# KiCad board PiCoral.kicad_pcb (continued)
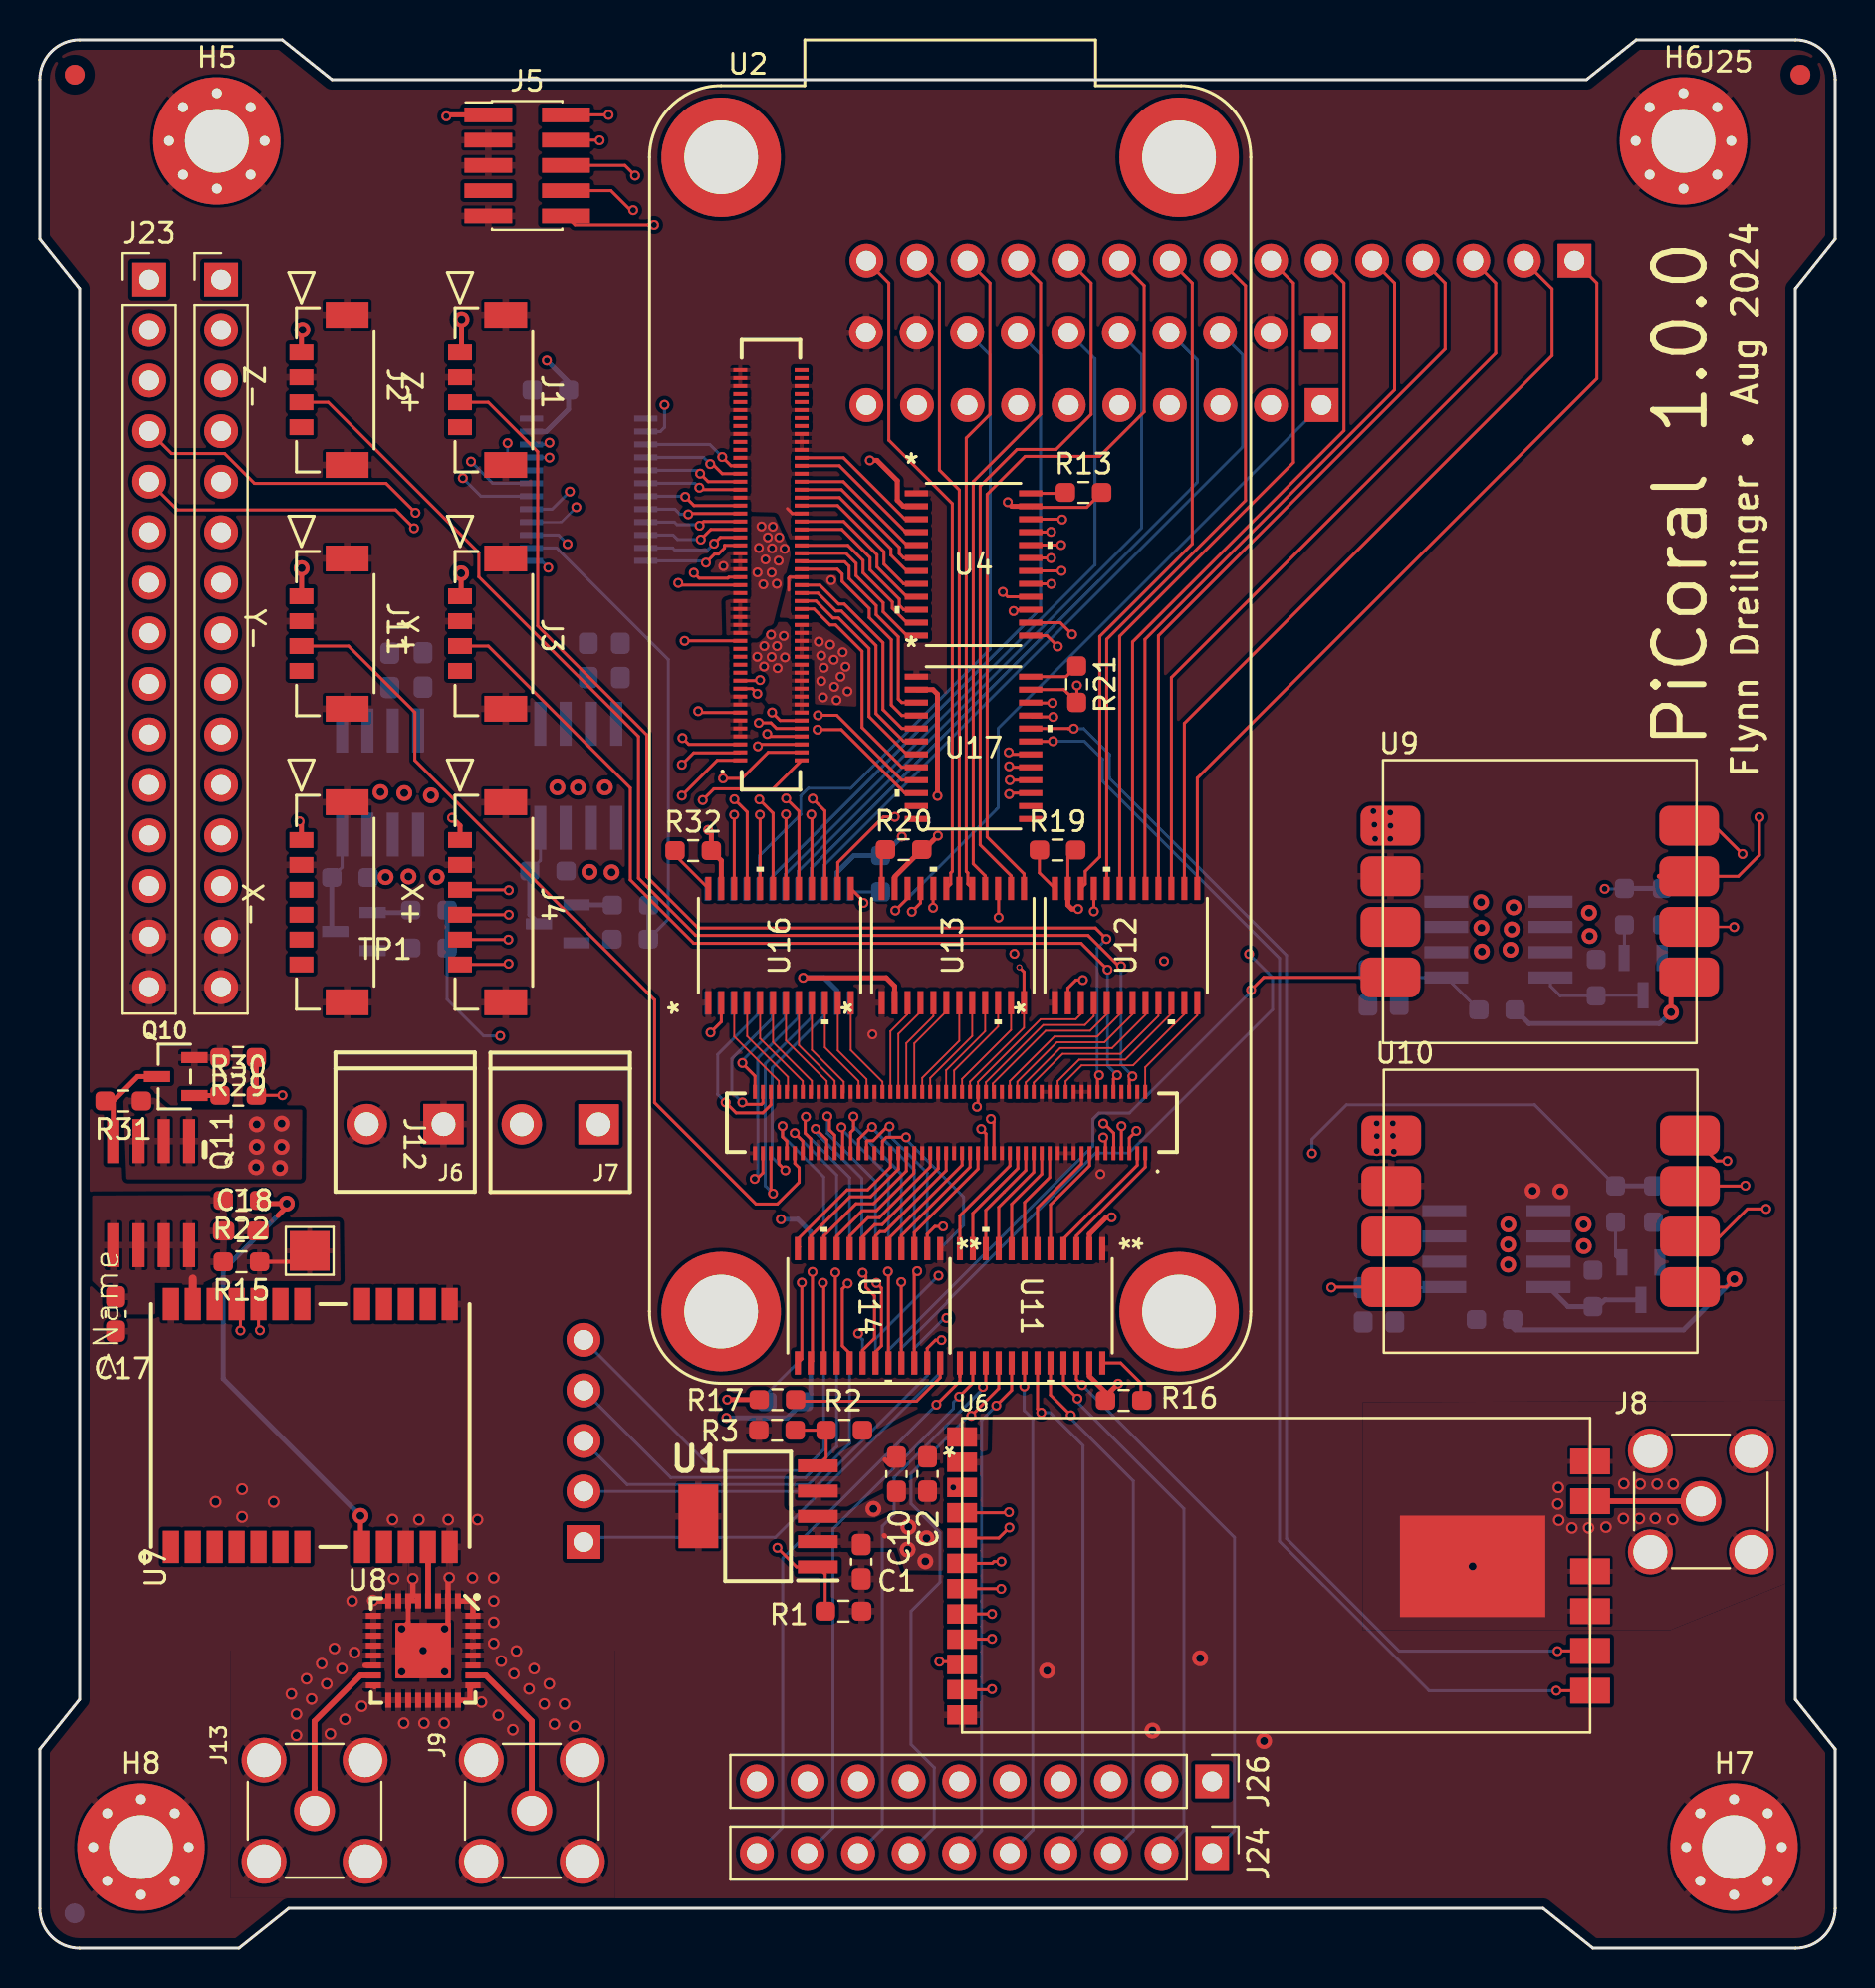
[diagram p0: board, top side]
## Routing (per net, layer and track width the routed paths; a pad name or vN(x,y) marks a point on that pad's centre or on a via; arc(x,y) is an arc through that point) (continued)
/GPIO_LPSR_13_1V8: length 6.1
  Top w0.15: 47.12,39.95 47.12,39.16 43.92,35.96 U14.3
/GPIO_SD_B1_00: length 34.5
  Bottom w0.15: 46.6,81.18 47.73,80.04 47.73,65.28 40.74,58.28 38.6,58.28 38.22,57.91 38.22,56.97 36.14,54.89 U15.17
/GPIO_SD_B1_00_1V8: length 5.6
  Top w0.15: v1(35.29,44.48) 35.29,44.46 35.92,43.82 U2.100
  Bottom w0.15: v1(35.29,44.48) 35.29,44.59 37.44,46.74 U15.6
/GPIO_SD_B1_01: length 29.5
  Top w0.15: v1(34.89,57.73) 35.53,57.09 U16.21
  In2.Cu w0.15: v1(34.89,57.73) 37.19,60.03 39.1,60.03 43.02,63.96 43.02,76.51 J29.9
/GPIO_SD_B1_01_1V8: length 5.3
  Top w0.09: U16.4 35.53,45.83 37.58,43.78 37.58,43.08
/GPIO_SD_B1_02: length 35
  Bottom w0.15: 51.67,81.18 52.99,79.86 52.99,69.51 37.43,53.95 U15.19
/GPIO_SD_B1_02_1V8: length 9.3
  Top w0.15: U2.96 36.72,42.38 36.31,41.97 34.97,41.97 v1(34.45,42.5)
  Bottom w0.15: v1(34.45,42.5) 34.05,42.9 34.05,44.91 36.14,47 U15.8
/GPIO_SD_B1_03: length 29.7
  Top w0.15: v1(34.88,56.95) 34.88,56.95 U16.22
  In2.Cu w0.15: v1(34.88,56.95) 34.36,57.46 34.36,57.95 36.8,60.38 38.96,60.38 42.67,64.1 42.67,76.38 J29.10
/GPIO_SD_B1_03_1V8: length 5.4
  Top w0.09: U16.3 34.88,45.81 37.12,43.57 37.12,43.03
/GPIO_SD_B1_04: length 19.2
  Bottom w0.15: U5.20 40.67,25.37 38.6,23.3 29.49,23.3 J27.3
/GPIO_SD_B1_04_1V8: length 9.5
  Top w0.15: v1(38.48,41.78) 38.44,41.74 38.44,40.95 38.72,40.67 U2.85
  Bottom w0.15: U5.5 40.67,38.72 38.44,40.95 38.44,41.74 v1(38.48,41.78)
/GPIO_SD_B1_05: length 34
  Bottom w0.15: U15.18 36.79,53.84 50.26,67.31 50.26,80.05 49.14,81.18
/GPIO_SD_B1_05_1V8: length 7.7
  Top w0.15: U2.98 36.32,42.47 36.25,42.4 35.38,42.4 v1(35.29,42.5)
  Bottom w0.15: v1(35.29,42.5) 34.76,43.02 34.76,44.7 36.79,46.72 U15.7
/GPIO_SD_B2_00: length 20.3
  Bottom w0.15: J27.2 38.75,22.95 44.57,28.77 U5.14
/GPIO_SNVS_00: length 27.3
  Top w0.15: U11.15 47.51,28.35 v1(47.37,28.21)
  Bottom w0.15: v1(47.37,28.21) 47.37,28.11 42.91,23.64 42.91,21.8 42.32,21.21 42.32,6 J24.8
/GPIO_SNVS_00_1V8: length 5.6
  Top w0.15: U11.10 47.51,37.08 49.52,39.09 49.52,39.95
/GPIO_SNVS_02: length 36.4
  Top w0.15: v1(37.48,57.77) 38.13,57.13 U16.17
  In2.Cu w0.15: J29.5 52.04,75.36 44.98,75.36 44.42,74.81 44.42,63.38 39.68,58.63 38.35,58.63 v1(37.48,57.77)
/GPIO_SNVS_02_1V8: length 5.2
  Top w0.09: U16.8 38.13,45.37 39.92,43.58 U2.80
/GPIO_SNVS_03: length 25.3
  Top w0.15: U11.18 49.46,28.24 v1(49.45,28.23)
  Bottom w0.15: J24.5 49.88,5.94 49.88,26.59 49.45,27.02 v1(49.45,28.23)
/GPIO_SNVS_03_1V8: length 5.3
  Top w0.15: U11.7 49.46,37.47 50.72,38.73 U2.25
/GPIO_SNVS_04: length 32.4
  Top w0.15: J28.14 45.18,83.67 45.18,74.27 46.18,73.27 U13.18
/GPIO_SNVS_04_1V8: length 5.3
  Top w0.09: U2.58 44.32,43.73 46.18,45.59 U13.7
/GPIO_SNVS_05: length 28.1
  Top w0.15: v1(46.18,27.72) 46.86,28.4 U11.14
  Bottom w0.15: J24.9 39.83,6.06 39.83,21.07 45.89,27.12 45.89,27.43 46.17,27.72 v1(46.18,27.72)
/GPIO_SNVS_05_1V8: length 5.7
  Top w0.15: U11.11 46.86,36.92 49.12,39.18 49.12,39.95
/GPIO_SNVS_06: length 38
  Top w0.15: v1(38.74,56.96) 38.78,56.93 U16.16
  In2.Cu w0.15: v1(38.74,56.96) 38.29,57.41 38.29,57.98 38.6,58.28 39.83,58.28 44.77,63.23 44.77,74.26 45.53,75.01 54.23,75.01 J29.4
/GPIO_SNVS_06_1V8: length 5.2
  Top w0.09: U16.9 38.78,45.13 40.38,43.53 40.38,42.97
/GPIO_SNVS_07: length 36.4
  Top w0.15: U12.18 54.88,65.64 65.5,76.25 65.5,83.67 J28.6
/GPIO_SNVS_07_1V8: length 8.3
  Top w0.09: 49.12,43.03 49.12,43.14 49.1,43.17 49.1,43.53 51.08,45.52 53.47,45.52 54.88,46.93 U12.7
/GPIO_SNVS_08: length 32.6
  Top w0.15: U13.17 46.61,53.47 46.61,54.03 46.53,54.11 46.53,75.88 47.72,77.07 47.72,83.67 J28.13
/GPIO_SNVS_08_1V8: length 5.4
  Top w0.09: U13.8 46.83,45.83 44.72,43.72 U2.56
/GPIO_SNVS_09: length 25.7
  Top w0.15: U11.17 48.81,28.04 v1(48.04,27.26)
  Bottom w0.15: v1(48.04,27.26) 47.3,26.53 47.3,5.9 J24.6
/GPIO_SNVS_09_1V8: length 5.4
  Top w0.15: U2.27 50.32,38.9 48.81,37.39 U11.8
/GPS/RF_IN: length 2.7
  Top w0.293: U7.11 19.5,20.15 U8.4
/MCM_3V3: length 30.4
  Top w0.15: U2.106 36.16,60.49 v1(36.06,60.39)
  In1.Cu w0.15: J25.11 11.14,60.48 31.47,60.48 31.95,59.99 35.67,59.99 v1(36.06,60.39)
/MCM_3V3_SENSE: length 29.5
  Top w0.15: v1(36.53,61.01) 36.66,60.89 U2.108
  In1.Cu w0.15: v1(36.53,61.01) 33.47,61.01 33.15,61.33 9.45,61.33 J25.10
/ONOFF: length 38
  Top w0.15: U12.16 56.18,65.95 70.58,80.34 70.58,83.67 J28.4
/ONOFF_1V8: length 8.8
  Top w0.09: U2.30 49.92,43.49 51.37,44.94 54.28,44.94 56.18,46.85 U12.9
/pd_y+: length 60.9
  Top w0.15: v1(53.57,50.71) 53.01,51.26 33.06,51.26 30.48,53.84 30.48,60.96 25.01,66.44 25.01,75.2 22.52,77.68 J1.3 ; v1(53.2,43.86) 53.12,43.78 53.12,43.03
  Bottom w0.15: v1(53.57,50.71) 53.1,50.24 53.1,43.96 v1(53.2,43.86)
/pd_y-: length 43
  Top w0.15: U2.89 37.92,39.43 38.14,39.22 38.14,38.49 37.04,37.39 35.97,37.39 30.88,42.49 30.88,47.65 18.84,59.69 18.84,62.1 15.51,65.43 J11.3
/pd_z+: length 48.4
  Top w0.15: v1(53.63,49.17) 52.3,50.49 32.84,50.49 29.66,53.68 29.66,58.3 22.52,65.43 J3.3 ; v1(54.11,43.86) 53.92,43.68 U2.10
  Bottom w0.15: v1(54.11,43.86) 53.63,44.34 v1(53.63,49.17)
/pd_z-: length 64.6
  Top w0.15: J2.3 14.49,77.68 22.05,70.11 22.05,68.9 30.07,60.89 30.07,53.76 32.94,50.89 52.65,50.89 54.3,49.23 v1(54.3,49.35) ; U2.6 54.72,43.65 v1(54.88,43.81)
  Bottom w0.15: v1(54.3,49.35) 54.3,44.41 54.88,43.84 v1(54.88,43.81)
/PMIC_ON_REQ: length 28.8
  Top w0.15: U11.16 48.16,28.13 v1(46.78,26.75)
  Bottom w0.15: v1(46.78,26.75) 46.66,26.75 43.76,23.85 43.76,22.33 45.21,20.88 45.21,18.39 43.76,16.94 43.76,10.24 44.92,9.07 44.92,6.07 J24.7
/PMIC_ON_REQ_1V8: length 5.5
  Top w0.15: U11.9 48.16,37.23 49.92,38.99 U2.29
/PMIC_STBY_REQ: length 37.2
  Top w0.15: J28.5 68.04,83.67 68.04,78.3 55.51,65.76 55.51,53.62 55.53,53.59 U12.17
/PMIC_STBY_REQ_1V8: length 8.5
  Top w0.09: U12.8 55.53,46.91 53.86,45.23 51.25,45.23 49.52,43.5 49.52,43.03
/pyramid1: length 40.4
  Top w0.15: v1(23.56,53.16) 23.54,53.18 J4.3 ; v1(55.08,41.07) 54.72,40.71 U2.5
  In1.Cu w0.15: v1(23.56,53.16) 25.76,50.96 43.67,50.96 52.31,42.31 54.06,42.31 55.08,41.3 v1(55.08,41.07)
/pyramid2: length 39
  Top w0.15: v1(23.55,51.93) J4.4 ; U2.7 54.32,41.3 v1(54.32,41.31)
  In1.Cu w0.15: v1(54.32,41.31) 53.67,41.96 52.17,41.96 43.52,50.61 24.88,50.61 v1(23.56,51.93)
/pyramid3: length 37.9
  Top w0.15: U2.9 53.94,39.96 53.94,40.96 53.45,41.44 v1(53.41,41.44) ; J4.5 v1(23.54,50.68)
  In1.Cu w0.15: v1(23.54,50.68) 23.95,50.26 43.38,50.26 52.2,41.44 v1(53.41,41.44)
/pyramid4: length 37.1
  Top w0.15: v1(53.41,40.74) 53.52,40.63 53.52,39.95 ; J4.6 23.51,49.43 v1(23.55,49.47)
  In1.Cu w0.15: v1(23.55,49.47) 23.98,49.91 43.23,49.91 52.14,41 52.79,41 53.05,40.74 v1(53.41,40.74)
/RF_BUSY: length 60.9
  Top w0.15: v1(48.67,21.91) 48.64,21.88 U6.4 ; v1(51.35,71.79) 51.33,71.8 U4.22
  In2.Cu w0.15: v1(48.67,21.91) 48.67,22.16 53.23,26.72 53.23,33.98 55.61,36.36 55.61,45.84 57.55,47.77 57.55,67.04 52.8,71.79 v1(51.35,71.79)
/RF_BUSY_1V8: length 7
  Top w0.09: 43.45,71.8 U4.3
  Top w0.15: U2.178 40.36,74.89 43.45,71.8
/RF_IO1: length 60.1
  Top w0.15: v1(51.3,70.51) 51.29,70.5 U4.20 ; v1(48.7,21.14) 48.17,20.61 U6.5
  In2.Cu w0.15: v1(51.3,70.51) 53.09,70.51 55.94,67.65 55.94,48.27 52.67,45.01 52.67,28.88 52.87,28.68 52.87,27.13 48.15,22.41 48.15,21.68 v1(48.7,21.14)
/RF_IO1_1V8: length 7.1
  Top w0.15: U2.172 40.36,73.69 43.54,70.5 U4.5
/RF_IO2: length 60.3
  Top w0.15: U4.19 50.78,69.85 v1(50.79,69.85) ; v1(48.3,19.43) 47.92,19.43 47.83,19.34 U6.6
  In2.Cu w0.15: v1(48.3,19.43) 47.8,19.92 47.8,22.83 51.25,26.29 51.25,27.95 52.33,29.02 52.33,45.15 55.55,48.37 55.55,67.55 53.25,69.85 v1(50.79,69.85)
/RF_IO2_1V8: length 7.4
  Top w0.15: U4.6 43.39,69.85 43.17,70.08 43.17,70.38 40.26,73.29 U2.170
/RF_IO3: length 59.6
  Top w0.15: v1(51.32,69.21) 51.31,69.2 U4.18 ; U6.7 48.27,18.07 v1(48.29,18.06)
  In2.Cu w0.15: v1(48.29,18.06) 47.45,18.89 47.45,24.82 51.98,29.35 51.98,45.3 54.91,48.23 54.91,65.61 v1(51.32,69.21)
/RF_IO3_1V8: length 7.5
  Top w0.15: U4.7 43.54,69.2 42.75,70 42.75,70.31 40.17,72.89 U2.168
/RF_RST: length 50.5
  Top w0.15: U4.15 48.97,67.25 v1(48.91,67.19)
  In2.Cu w0.15: v1(48.91,67.19) 46.17,64.46 46.17,55.98 50.36,51.8 50.36,31.48 48.12,29.25 46.96,29.25 45.65,27.93 45.65,25.05 45.82,24.88 45.82,23.21 v1(45.88,23.15)
/RF_RST_1V8: length 8
  Top w0.15: U4.10 43.39,67.25 43.17,67.48 43.17,67.79 41.7,69.26 41.7,69.87 40.28,71.29 U2.160
/RF_RX_EN: length 65.2
  Top w0.15: v1(76.23,14.93) 76.23,14.94 U6.14 ; U17.20 51.65,61.29 51.66,61.28 v1(51.93,61.28)
  Bottom w0.15: v1(76.23,14.93) 68.27,14.93 62.61,20.59 62.61,49.89 53.73,58.78 53.73,59.98 52.42,61.28 v1(51.93,61.28)
/RF_RX_EN_1V8: length 10.7
  Top w0.15: U2.146 39.17,68.49 40.12,67.54 40.41,67.54 42.35,65.6 42.35,62.23 43.29,61.29 U17.5
/RF_TX_EN: length 65.7
  Top w0.15: v1(50.89,60.65) 50.88,60.64 U17.19 ; v1(76.17,12.94) U6.13
  Bottom w0.15: v1(50.89,60.65) 52.47,60.65 53.38,59.74 53.38,58.63 62.27,49.74 62.27,20.44 69.77,12.94 v1(76.17,12.94)
/RF_TX_EN_1V8: length 10.9
  Top w0.15: U2.144 39.08,68.09 39.98,67.19 40.26,67.19 42,65.45 42,62.03 43.39,60.64 U17.6
/RX_FROM_GPS: length 54.2
  Top w0.15: v1(11.06,31.05) 10.99,31.12 U7.20
  In2.Cu w0.15: v1(11.06,31.05) 11.06,33.64 14.64,37.22 14.64,43.16 15.98,44.51 16,44.51 16,65.53 20.95,70.49 22.08,70.49 26.23,74.65 26.23,75.23 25.82,75.65 v1(25.6,75.65)
  Bottom w0.15: v1(25.6,75.65) 25.5,75.56 U3.22
/RX_FROM_GPS_1V8: length 5.2
  Top w0.15: 35.18,74.49 34.72,74.49 v1(34.27,74.93)
  Bottom w0.15: U3.3 33.64,75.56 v1(34.27,74.93)
/SCK_RF: length 57.6
  Top w0.15: U4.14 51.26,66.6 v1(51.84,66.02) ; U6.9 47.8,15.53 v1(47.83,15.55)
  In2.Cu w0.15: v1(51.84,66.02) 51.84,64.42 50.33,62.9 50.33,60.46 51.27,59.52 51.27,31.37 47.49,27.59 47.49,26.16 46.75,25.41 46.75,16.62 v1(47.83,15.55)
/SCK_RF_1V8: length 7.9
  Top w0.15: U4.11 43.54,66.6 42.82,67.33 42.82,67.64 41.35,69.11 41.35,69.73 40.59,70.49 U2.156
/SCK_SENSE1: length 42.2
  Top w0.15: U9.5 84.1,56.4 v1(85.52,54.98) ; v1(50.86,62.57) 49.79,62.57 U17.22
  In1.Cu w0.15: v1(85.52,54.98) 80.85,59.65 54.3,59.65 51.39,62.57 v1(50.86,62.57)
/SCK_SENSE1_1V8: length 11.1
  Top w0.15: 38.3,69.66 40.42,69.66 40.65,69.44 40.65,68.82 42,67.46 42,67 43.11,65.89 43.11,62.76 43.29,62.59 U17.3
/SCK_SENSE2: length 48.5
  Top w0.15: U10.5 82.94,40.84 84.22,39.56 v1(84.76,39.56) ; v1(44.86,52.28) 44.86,53.23 U13.20
  In1.Cu w0.15: v1(84.76,39.56) 82.54,39.56 79.88,42.22 63.6,42.22 60.53,45.29 51.86,45.29 v1(44.86,52.28)
/SCK_SENSE2_1V8: length 5
  Top w0.09: U13.5 44.88,46.83 43.52,45.47 43.52,43.03
/SDI_RF: length 59.5
  Top w0.15: U6.11 47.8,12.99 v1(47.83,13.02) ; v1(51.13,65.41) 50.58,65.95 U4.13
  In2.Cu w0.15: v1(47.83,13.02) 46.4,14.44 46.4,26.12 46.26,26.26 46.26,27.01 46.84,27.6 46.84,28.42 47.15,28.73 48.1,28.73 50.92,31.56 50.92,59.37 49.98,60.32 49.98,64.26 v1(51.13,65.41)
/SDI_RF_1V8: length 8.1
  Top w0.15: U2.154 40.49,70.09 41,69.58 41,68.97 42.35,67.61 42.35,67.15 43.55,65.95 U4.12
/SDI_SENSE1: length 79.3
  Top w0.15: v1(86.36,56.83) 86.36,54.92 85.3,53.86 U9.6
  Top w0.25: U9.6 81.33,53.86
  In1.Cu w0.15: v1(26.62,73.19) 30.42,77 37.44,77 38.38,76.06 42.54,76.06 58.45,60.15 83.05,60.15 v1(86.36,56.83)
  Bottom w0.15: v1(26.62,73.19) 25.74,72.31 U3.17
/SDI_SENSE1_1V8: length 4.9
  Top w0.15: v1(32.57,72.05) 32.61,72.09 35.18,72.09
  Bottom w0.15: U3.8 31.89,72.31 32.15,72.05 v1(32.57,72.05)
/SDI_SENSE2: length 54.8
  Top w0.15: U10.6 85.64,38.3 v1(85.66,38.32) ; U16.13 41.37,52.61 v1(41.37,52.52)
  In1.Cu w0.15: v1(85.66,38.32) 85.66,39.4 82.49,42.57 63.74,42.57 60.67,45.64 52.24,45.64 47.72,50.17 47.72,50.17 45.08,52.8 41.65,52.8 v1(41.37,52.52)
/SDI_SENSE2_1V8: length 5.1
  Top w0.09: U16.12 40.73,45.13 42.32,43.53 U2.68
/SDO_RF: length 62.4
  Top w0.15: U4.16 48.61,67.9 v1(48.36,68.15) ; v1(45.18,14.4) 46.18,14.4 U6.10
  In2.Cu w0.15: v1(48.36,68.15) 45.83,65.61 45.83,54.86 49.98,50.7 49.98,33.01 44.51,27.53 44.51,23.42 45.99,21.93 45.99,15.92 45.18,15.1 v1(45.18,14.4)
/SDO_RF_1V8: length 7.7
  Top w0.15: U4.9 43.54,67.9 42.05,69.4 42.05,70.02 40.38,71.69 U2.162
/SDO_SENSE1: length 78.6
  Top w0.12: v1(85.1,51.31) 85.08,51.32 U9.7
  In1.Cu w0.15: v1(85.1,51.31) 82.77,48.99 59.5,48.99 49.7,58.79 49.7,62.06 35.72,76.04 30.92,76.04 27.29,72.41 v1(26.95,72.41)
  Bottom w0.12: v1(26.95,72.41) 26.19,71.66 U3.16
/SDO_SENSE1_1V8: length 4.9
  Top w0.15: v1(33.14,71.48) 33.35,71.69 35.18,71.69
  Bottom w0.15: U3.9 31.87,71.66 32.01,71.52 33.09,71.52 v1(33.14,71.48)
/SDO_SENSE2: length 47.4
  Top w0.15: v1(52.94,52.1) 52.94,53.25 U12.21 ; v1(86.7,37.15) 85.77,37.15 84.38,35.76 U10.7
  In1.Cu w0.15: v1(52.94,52.1) 54.71,52.1 63.89,42.92 84.19,42.92 86.7,40.4 v1(86.7,37.15)
/SWD_CLK: length 62.9
  Top w0.15: v1(28.11,90.84) 28.11,90.85 J5.4 ; v1(47.28,41.16) 47.52,40.92 47.52,39.95
  In2.Cu w0.15: v1(28.11,90.84) 28.82,90.14 28.82,76.99 29.72,76.09 29.72,54.84 42.24,42.31 42.68,42.31 43.83,41.16 v1(47.28,41.16)
/SWD_DIO: length 65.4
  Top w0.15: v1(28.57,92.12) J5.2 ; U2.39 47.92,41.51 v1(47.77,41.67)
  In2.Cu w0.15: v1(47.77,41.67) 47.75,41.69 43.85,41.69 30.2,55.33 30.2,76.16 29.27,77.09 29.27,89.49 30.23,90.45 v1(28.57,92.12)
/SWD_nRESET: length 55.8
  Top w0.15: v1(48.16,51.79) 48.16,53.22 U13.15 ; J5.10 26.88,86.59 v1(30.85,86.59)
  In2.Cu w0.15: v1(48.16,51.79) 45.77,54.18 33.08,54.18 31.26,56.01 31.26,76.93 30.85,77.33 30.85,85.78 31.26,86.18 v1(30.85,86.59)
/SWD_nRESET_1V8: length 5.4
  Top w0.09: U13.10 48.13,46.31 45.92,44.1 U2.50
/TX_TO_GPS: length 53.3
  Top w0.15: U7.21 10.08,32.17 v1(10.08,31.04)
  In2.Cu w0.15: v1(25.6,74.9) 25.6,74.5 21.93,70.84 20.8,70.84 15.65,65.68 15.65,44.66 14.29,43.3 14.29,37.81 10.08,33.6 v1(10.08,31.04)
  Bottom w0.15: v1(25.6,74.9) 24.7,74.9 U3.21
/TX_TO_GPS_1V8: length 5.1
  Top w0.15: 35.18,74.09 34.27,74.09 33.79,74.57 v1(33.67,74.57)
  Bottom w0.15: U3.4 33.34,74.91 v1(33.67,74.57)
/V_BCKP: length 2.7
  Top w0.15: 13.01,34.49 TP1.1
  Top w0.2: R15.1 13.01,34.49
/WAKEUP: length 35.6
  Top w0.15: U12.19 54.23,65.92 62.96,74.65 62.96,83.67 J28.7
/WAKEUP_1V8: length 8
  Top w0.09: U12.6 54.23,46.93 53.11,45.81 50.96,45.81 48.72,43.57 U2.36
V_RF: length 0.3
  Top w0.25: 42.45,24.55 42.67,24.32
VSYS: length 0
  Top w0.25: 42.41,20.74 42.44,20.71
  vias: v1(36.04,64.89) v1(36.39,65.43) v1(36.38,64.4) v1(36.73,66) v1(36.76,64.88) v1(37.02,65.43) v1(37.05,64.32) v1(37.36,65.94) v1(37.42,64.86) v2(43.58,20.03) v2(43.63,21.17) v2(44.48,19.44) v2(44.54,20.6)
Net-(J8-In): length 5.6
  Top w0.15: 83.42,22.46 J8.1
  Top w0.29: U6.17 83.42,22.46
Net-(J9-In): length 8.4
  Top w0.293: J9.1 24.71,11.4 22.41,13.71 U8.26
Net-(J13-In): length 8.4
  Top w0.293: J13.1 13.8,11.4 16.1,13.71 U8.15
Net-(Q1-D): length 5.2
  Bottom w0.15: R7.2 25.14,54.65 Q2.4
  Bottom w0.25: R7.2 24.61,51.94 Q1.3
Net-(Q1-G): length 1.8
  Bottom w0.25: R5.1 28.74,52.42 Q1.1
Net-(Q4-D): length 5.2
  Bottom w0.15: Q5.4 15.19,54.32 R10.2
  Bottom w0.25: Q4.3 14.67,51.25 R10.2
Net-(Q4-G): length 1.8
  Bottom w0.25: Q4.1 18.51,52.04
Net-(Q6-D): length 5.3
  Bottom w0.15: Q7.4 75.87,48.34 76.36,47.86 R25.2 78.26,47.86 78.28,47.88 Q6.3
Net-(Q6-G): length 1.7
  Bottom w0.15: R24.1 79.58,49.77 Q6.1
Net-(Q8-D): length 5.2
  Bottom w0.25: Q8.3 78.61,32.58 78.27,32.24 R28.2 76.76,32.24 Q9.4
Net-(Q8-G): length 2.2
  Bottom w0.15: Q8.1 79.14,34.78 R27.1
  Bottom w0.25: 79.21,36.79 79.19,36.77 79.19,36.73 79.19,36.72
Net-(Q10-D): length 4.7
  Top w0.25: 3.68,42.57 4.91,43.8 Q10.3 ; Q11.4 3.69,42.56
Net-(Q10-G): length 1.6
  Top w0.25: 9.38,42.84 Q10.1
Net-(U1-SENSE/ADJ): length 3.5
  Top w0.15: R3.1 R2.2 39.49,24.66 U1.5
Net-(U2B-GPIO_SD_B2_00): length 9
  Top w0.15: 41.52,39.95 41.52,40.55 41.55,40.57 41.85,40.57 42.57,41.29 v1(42.68,41.29)
  Bottom w0.15: v1(42.68,41.29) 42.68,40.83 43.29,40.22 43.3,40.22 44.57,38.95 U5.11
Net-(U3-EN): length 1.4
  Bottom w0.15: U3.24 24.73,76.9 R12.1
Net-(U4-EN): length 1.6
  Top w0.15: U4.24 51.24,73.1 51.34,73.21
Net-(U5-EN): length 2.6
  Bottom w0.15: U5.24 38.04,29.41 36.52,27.89 R14.1
Net-(U7-RSTN): length 23.7
  Top w0.15: R22.1 11.23,37.58
  Top w0.25: 11.96,36.81 12.41,37.26 v2(12.41,37.42) 11.39,37.42 11.23,37.58 ; U7.8 16.11,20.24 v2(16.11,21.72)
  Bottom w0.25: v2(16.11,21.72) 9.22,28.61 9.22,34.07 12.41,37.26 v2(12.41,37.42)
Net-(U11-EN): length 3.4
  Top w0.15: U11.24 54.29,29.41 55.31,28.39 55.31,27.31
Net-(U12-A2): length 7.9
  Top w0.09: U12.4 52.93,46.83 52.49,46.39 50.4,46.39 47.52,43.51 47.52,43.03
Net-(U12-A3): length 8.2
  Top w0.09: U2.40 47.86,43.08 47.86,43.45 50.52,46.1 52.75,46.1 53.58,46.93 U12.5
Net-(U12-EN): length 2.3
  Top w0.15: U12.24 50.2,54.03 R19.1
Net-(U13-EN): length 1.9
  Top w0.15: 42.48,55.1 42.27,54.88 42.27,53.26 U13.24
Net-(U14-EN): length 8.7
  Top w0.15: U14.24 45.22,28.67 44.03,27.49 37.71,27.49
Net-(U15-EN): length 1.6
  Bottom w0.15: R18.1 40.83,53.08 U15.24
Net-(U16-EN): length 2.8
  Top w0.15: U16.24 31.8,55.02 31.8,55.27
Net-(U17-EN): length 2.5
  Top w0.15: R21.1 51.54,63.89 U17.24

## Copper pours and planes (outline as drawn; the poured copper is in the pictures)
+1V8 on Top: 37.63,66.61 37.67,64.68 38.89,64.71 38.92,62.5 41.02,62.38 41.1,65.08 39.08,66.62
+1V8 on In3.Cu: -4.7,98.69 -2.6,-2.91 93.7,-2.91 92.7,97.99
+3V3 on Top: 4.35,38.63 13.16,38.63 13.19,42.14 6.51,42.13 5.28,43.16 4.57,43.16 4.19,42.57
+3V3 on Top: 34.44,67.71 34.48,65.85 36.02,65.81 36.85,66.56 37.74,70.1 36.92,71.94 35.73,71.97 35.49,68.05
+3V3 on Bottom: 15.71,53.34 20.53,53.33 20.26,58.58 15.69,58.56
+3V3 on Bottom: 73.13,53.13 73.12,49.42 78.69,49.35 78.62,53.09
+3V3 on Bottom: 25.66,58.86 29.32,58.86 30.51,58.81 30.45,53.62 25.64,53.64
+3V3 on Bottom: 73.04,37.56 73.02,33.85 78.6,33.78 78.52,37.52
+3V3 on In4.Cu: -2.1,96.06 -0.66,-0.87 91.51,-1.08 91.33,96.75 -2.03,96.8
/3V3_PD1 on Bottom: 22.78,82.08 23.01,64.98 30.23,64.35 30.19,60.13 24.45,59.49 23.15,54.96 20.45,54.97 19.62,82.12
/3V3_PD2 on Bottom: 14.89,82.12 14.83,64.32 19.56,64.06 19.65,59.26 15.01,58.79 14.23,55.07 11.62,55.07 11.73,82.16
/GPS/3V3_GPS on Top: 2.63,37.82 2.63,33.52 4.38,31.84 5.81,31.84 5.79,33.42 7.15,33.4 7.16,31.49 8.25,31.49 8.24,33.44 9.38,33.99 9.43,37.84
/MAG1/3V3_SENSORS on Bottom: 68.58,53.68 68.55,57.48 65.11,57.5 65.16,48.27 68.95,48.28 69.45,46.53 73.2,46.53 73.14,53.69
/MAG2/3V3_SENSORS on Bottom: 68.48,38.1 68.45,41.9 65.02,41.92 65.07,32.69 69.4,32.67 69.76,30.98 73.05,30.99 73.05,38.11
GND on Top: 66.44,27.44 66.44,15.98 81.86,15.98 92.05,20.09 92.14,27.54
GND on Top: 20.51,14.96 20.51,20.9 18.48,20.9 18.48,14.96 9.59,14.96 9.59,2.51 28.89,2.51 28.89,14.96
GND on Top, Bottom, In1.Cu, In2.Cu: -8.4,103.49 -7.2,-6.31 98.1,-6.81 96,102.59
GND on In1.Cu: 29.92,1.08 29.92,11.84 24.2,22.6 17.34,22.6 16.96,21.14 15.69,20.64 9.02,11.84 9.02,1.08
/V_BCKP on Top: 8.24,33.44 9.38,33.99 10.34,35.28 12.17,36.5 15.06,36.53 15.11,33.51 9.67,33.53 9.33,31.35 8.23,31.36
V_RF on Top: 37.58,23.61 37.58,22.19 40.55,22.19 44.22,24.02 47.61,25.01 47.64,26.87 44.14,26.89
VSYS on Top: 38.77,21.41 38.79,20.11 43.04,20.12 43.42,18.99 46.2,18.96 46.14,20.19 44.51,21.77 42.79,21.79 41.98,21.42
VSYS on Top: 37.07,61.87 38.95,61.87 38.89,64.71 37.52,66.64 35.2,66.67 35.23,64.31
VSYS on In3.Cu: 39.24,21.17 46.48,33.1 44.95,44.42 39.02,49.49 32.02,49.46 30.38,37.41 22.23,37.46 22.12,66.75 38.38,66.71 38.36,60.9 40.91,54.6 51.3,45.5 52.39,33.3 45.8,17.55

## Text on the board
F.Silkscreen: Flynn Dreilinger • Aug 2024 | PiCoral 1.0.0
